# KiCad board Entrex Trapezoid Processor Board v37.kicad_pcb (continued)
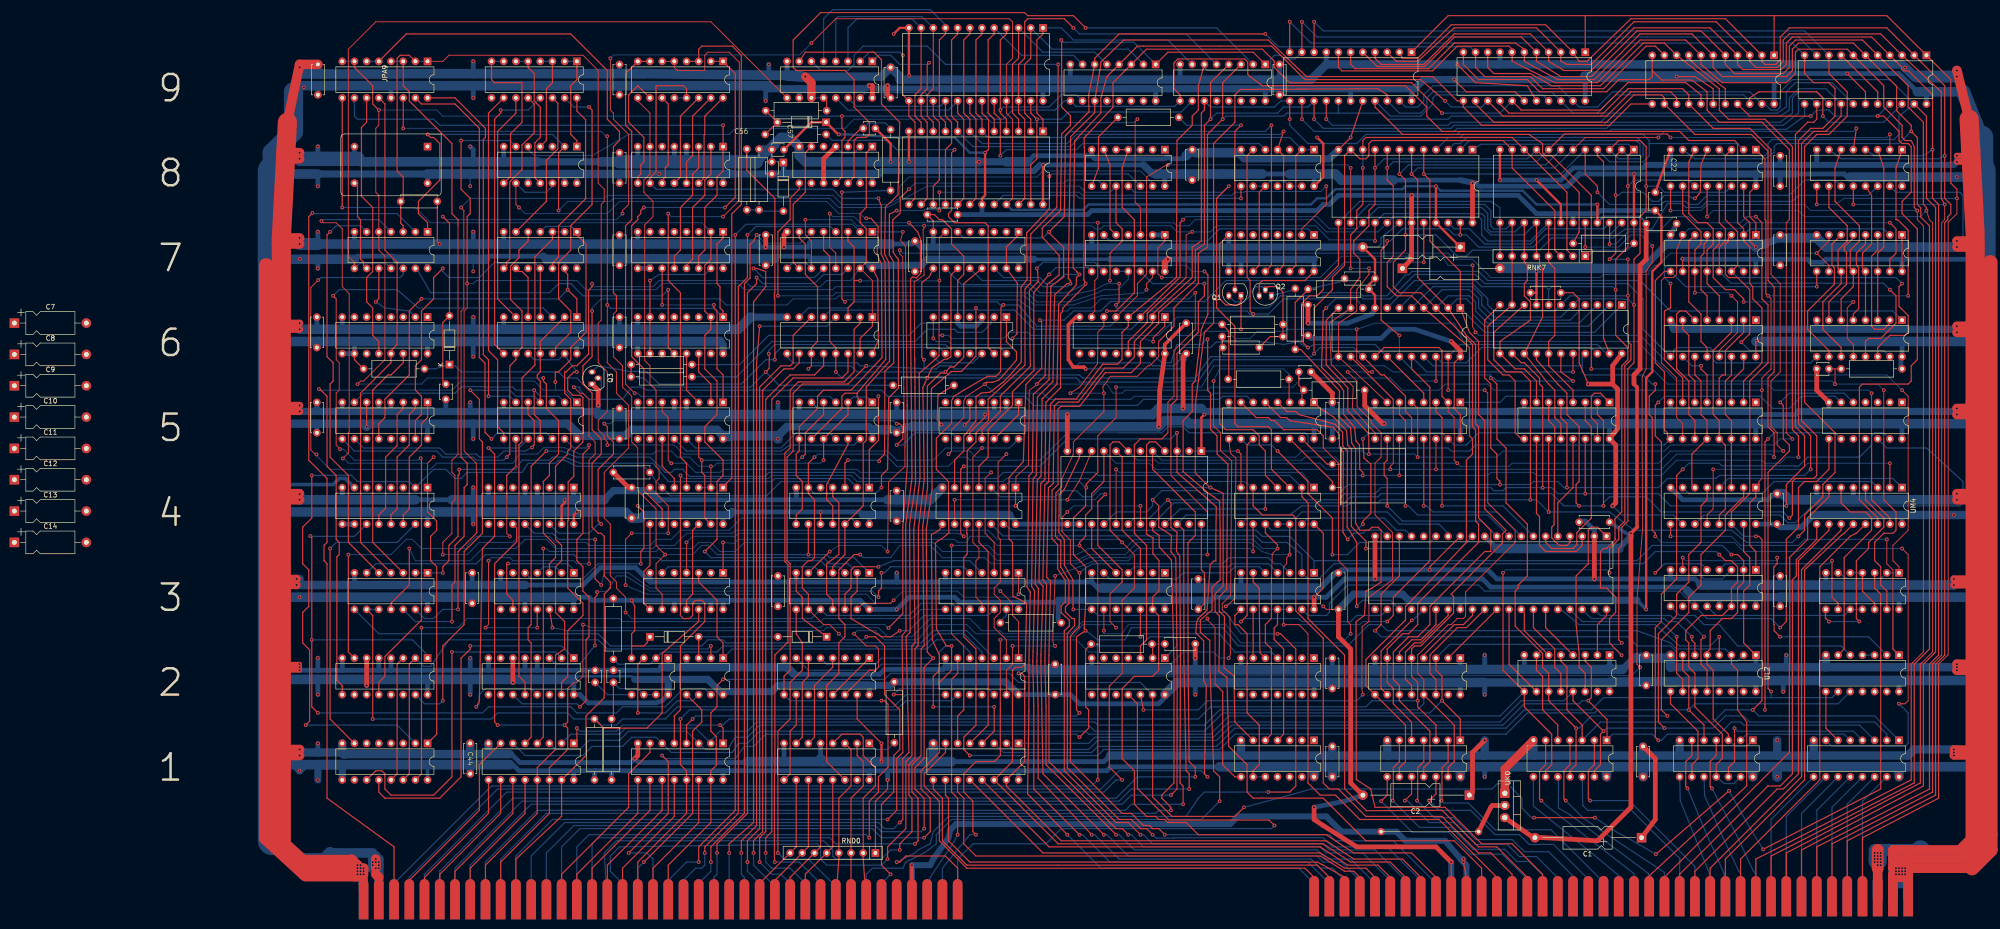
[diagram p0: board, top side]
## Routing (per net, layer and track width the routed paths; a pad name or vN(x,y) marks a point on that pad's centre or on a via; arc(x,y) is an arc through that point) (continued)
UE4_4: length 60.2
  Top w0.25: UE4.4 201.06,95.57 202.96,97.47 202.96,103.19 208.04,108.27 208.04,111.1 212.52,115.58 212.49,120.84 212.49,125.77 212.47,131.77 v1(215.66,135.57)
  Bottom w0.25: v1(215.66,135.57) 217.09,137.01 223.75,137.01 224.55,136.21
UE4_5: length 153.2
  Top w0.25: UE4.5 198.6,92.48 198.6,98.83 200.42,100.65 200.42,102.55 203.05,105.18 203.05,106.91 202.96,107 202.96,109.54 202.97,109.54 203.13,109.7 210.65,116.67 210.64,121 210.64,132.53 211.05,133.02 211.7,133.71 211.83,133.84 211.83,143.98 217.28,149.59 v1(217.56,179.39)
  Bottom w0.25: v1(217.56,179.39) 194.07,179.39 190.26,183.2 176.93,183.2 175.02,181.29 175.02,179.39 173.75,178.12 168.03,178.12 UD9.6
UE4_6: length 94.4
  Top w0.25: v1(215.73,156.08) 215.73,149.25 211.47,144.74 210.99,144.25 211.08,134.46 209.82,132.97 209.87,121.58 209.87,117.32 207.47,114.53 206.22,113.21 205.52,112.69 203.35,111.01 201.53,110.84 200.44,110.01 200.44,108.09 200.42,108.07 200.42,105.09 198.51,102.55 197.88,101.92 197.88,98.74 195.97,96.84 UE4.6
  Bottom w0.25: UF8.12 232.17,156.53 216.3,156.53 215.66,155.89
UE5_1: length 9.7
  Top w0.25: UE5.1 209.31,106.36 UE5.12
UE5_9: length 117.3
  Top w0.25: v1(183.91,100.01) 185.18,101.28 185.18,103.82 184.54,104.46 v1(183.91,104.46) ; v1(122.31,83.5) 121.68,84.14 121.68,94.93 124.85,98.11 124.85,100.65 123.59,101.92 123.59,103.82 v1(122.95,104.46)
  Bottom w0.2: v1(122.95,104.46) 124.22,104.46 124.85,105.09 124.88,105.06 183.31,105.06 v1(183.91,104.46)
  Bottom w0.25: UE5.9 195.34,102.55 187.72,102.55 185.18,100.01 v1(183.91,100.01) ; UB4.14 113.43,81.6 119.78,81.6 121.68,83.5 v1(122.31,83.5)
UE5_11: length 55.8
  Top w0.25: v1(213.12,136.84) 213.29,136.14 213.41,134.13 211.56,132.2 211.67,125.8 211.67,120.81 211.78,116.42 205.5,110.25 205.5,107 201.69,103.19 UE5.11
  Bottom w0.25: 227.09,136.21 225.19,138.11 214.39,138.11 v1(213.12,136.84)
UE8_20: length 55
  Top w0.25: v1(255.67,151.45) UH8.8
  Bottom w0.25: UE8.20 206.13,152.08 221.38,152.08 222.01,151.45 v1(255.67,151.45)
UE9_1: length 56.9
  Top w0.25: UE9.1 214.39,185.74 213.12,184.47 213.12,169.23 214.39,167.96 UE8.1
  Bottom w0.25: UE9.1 218.2,187.01 220.74,184.47 240.43,184.47 UH9.7
UE9_4: length 41.6
  Top w0.25: UE9.4 206.77,185.74 205.5,184.47 v1(205.5,169.86) 205.5,169.23 206.77,167.96 UE8.4
  Bottom w0.25: v1(205.5,169.86) 206.13,170.5 215.66,170.5 218.2,173.04 221.38,173.04 UF9.10
UE9_6: length 115.6
  Top w0.25: v1(262.01,166.69) 262.01,137.48 260.75,136.21 ; UE8.6 201.69,167.96 200.42,169.23 200.42,184.47 201.69,185.74 UE9.6
  Bottom w0.25: v1(262.01,166.69) 260.75,165.42 220.11,165.42 218.83,164.15 202.96,164.15 UE8.6
UE9_7: length 120.6
  Top w0.25: UE8.7 199.15,167.96 197.88,169.23 197.88,184.47 199.15,185.74 UE9.7 ; v1(264.56,165.42) UH8.4 264.56,160.34 264.56,137.48 263.29,136.21
  Bottom w0.25: v1(264.56,165.42) 263.92,164.78 221.38,164.78 219.47,162.88 201.69,162.88 UE8.7
UE9_16: length 44.2
  Top w0.25: UE8.16 194.07,161.61 195.34,162.88 195.34,167.32 194.07,168.59 UE9.16
  Bottom w0.25: UE9.16 192.95,170.64 175.51,170.64 UD9.14
UE9_20: length 68.8
  Top w0.25: UE9.20 204.23,169.23 205.5,167.96 v1(205.5,160.34)
  Bottom w0.25: UH8.5 259.48,162.88 222.64,162.88 221.38,161.61 206.77,161.61 v1(205.5,160.34)
UE9_22: length 83.9
  Top w0.25: v1(220.74,187.01) 218.83,188.91 211.21,188.91 210.58,188.28 210.58,180.66 209.31,179.39 UE9.22 209.31,169.23 210.58,167.96 210.58,151.45 UE8.22
  Bottom w0.25: v1(220.74,187.01) 222.01,185.74 244.24,185.74 UH9.5
UE9_23: length 56.6
  Top w0.25: UE8.23 211.85,158.43 213.12,159.7 v1(213.12,167.96) 211.85,169.23 UE9.23
  Bottom w0.25: UH9.10 243.2,169.46 219.71,169.46 218.2,167.96 v1(213.12,167.96)
UF2_2: length 5.7
  Top w0.25: R17.2 237.25,58.36 UF2.2
  Bottom w0.25: C55.1 239.75,58.48 R17.2
UF2_3: length 194.5
  Top w0.2: v1(246.14,131.76) 246.14,124.14 241.69,119.7 241.69,110.17 240.43,108.9 240.43,102.55
  Top w0.25: UF2.3 234.71,58.1 235.98,59.37 235.98,79.06 233.44,81.6 233.44,100.01 234.71,101.28 239.15,101.28 240.43,102.55 ; v1(172.48,152.72) 172.48,130.49 v1(173.12,129.86)
  Bottom w0.2: v1(173.12,129.86) 173.54,130.28 209.31,130.28 212.49,127.95 219.47,127.95 220.11,128.59 224.55,128.59 226.45,130.49 244.87,130.49 v1(246.14,131.76)
  Bottom w0.25: R28.2 v1(172.48,152.72)
UF3_3: length 27.5
  Top w0.25: UF4.8 230.9,97.47 230.9,82.23 234.71,78.42 UF3.3
UF3_5: length 12.3
  Top w0.25: UF3.5 224.55,78.42 UF4.15
UF3_6: length 35.8
  Bottom w0.25: UH3.5 259.48,74.61 254.39,74.61 253.12,73.34 243.6,73.34 242.33,72.07 228.36,72.07 UF3.6
UF3_9: length 123.8
  Top w0.2: v1(278.52,60.64) 278.52,62.55 277.89,63.18 277.89,73.98 275.99,75.88 275.99,96.24 272.81,99.41 272.81,99.59 ; v1(227.09,61.28) UF3.9
  Top w0.25: 272.81,99.59 272.81,101.92 271.54,103.19 264.56,103.19 262.65,105.09 262.01,105.09 261.38,105.73 258.84,105.73 UH5.7
  Bottom w0.2: v1(227.09,61.28) 227.09,60.64 230.9,60.64 232.17,62.55 252.49,62.55 255.67,58.74 276.62,58.74 v1(278.52,60.64)
UF3_12: length 36.9
  Top w0.25: v1(234.71,60.01) UF3.12
  Bottom w0.25: v1(234.71,60.01) 235.35,60.64 251.22,60.64 254.39,56.83 262.01,56.83 UH2.4
UF4_17: length 54.5
  Top w0.2: v1(229.63,94.93) UF4.17
  Bottom w0.2: v1(229.63,94.93) 230.26,94.3 268.37,94.3 270.27,91.76 UH4.1
UF6_1: length 59.8
  Top w0.2: 208.96,123.16 208.04,122.24 v1(208.04,122.24)
  Top w0.25: UF6.1 239.79,124.78 237.36,122.35 v1(237.36,121.58) ; UE7.1 209.31,143.83 206.77,141.29 UE7.15 209.07,133.72 208.96,126.37 208.96,123.16
  Bottom w0.2: 237.25,121.6 235.35,122.24 v1(208.04,122.24)
UF7_3: length 156
  Top w0.2: UF7.3 234.71,149.54 233.61,150.64 233.61,167.49 v1(234.07,167.96)
  Bottom w0.2: v1(234.07,167.96) 233.36,167.24 203.68,167.24 202.96,167.96 175.02,167.96 173.12,166.05 150.25,166.05 148.99,164.78 128.03,164.78 120.41,160.37 108.31,160.37 107.07,161.61 UB8.5
UF7_5: length 18.6
  Top w0.25: UF7.5 228.36,145.1 228.36,158.43 UF8.6
UF7_10: length 104.9
  Top w0.25: UD8.8 163.59,153.35 161.69,151.45 161.69,147 159.15,144.46 v1(159.15,131.13)
  Bottom w0.2: v1(159.15,131.13) 170.57,131.13 171.21,131.76 211.21,131.76 213.12,129.86 220.11,129.86 225.82,131.76 227.09,132.4 229.98,132.4 232.17,134.58 232.17,136.21
  Bottom w0.25: 229.63,136.21 232.17,136.21
UF7_12: length 144.2
  Top w0.2: UE2.13 206.77,53.02 208.04,54.29 v1(208.04,58.1) ; v1(248.68,77.15) 248.68,86.04 241.06,93.66 241.06,98.11 ; v1(216.93,72.71) 216.47,60.54 216.45,59.2 216.62,58.41 v1(216.93,58.1)
  Top w0.25: 241.06,98.11 241.06,108.27 242.33,109.54 242.33,119.06 246.77,123.51 246.77,129.86 248.05,131.13 v1(248.05,133.67)
  Bottom w0.2: v1(216.93,72.71) 222.01,74.61 225.19,75.88 232.17,75.88 233.44,77.15 v1(248.68,77.15) ; v1(208.04,58.1) v1(216.93,58.1)
  Bottom w0.25: v1(248.05,133.67) 237.25,133.67 234.71,136.21
UF8_8: length 16.3
  Top w0.25: R14.1 225.96,164.29 225.96,157.8 UF8.8
UF8_11: length 96
  Top w0.25: UH4.3 262.01,94.93 262.01,103.19 261.38,103.82 255.03,103.82 254.39,104.46 254.39,124.78 250.58,128.59 250.58,151.45 v1(253.12,153.99)
  Bottom w0.25: v1(253.12,153.99) 251.86,152.72 233.44,152.72 UF8.11
UF9_2: length 49.3
  Top w0.25: UE8.2 211.85,167.96 210.58,169.23 210.58,179.39 211.85,180.66 UE9.2
  Bottom w0.25: UF9.2 232.17,182.56 216.3,182.56 UE9.2
UF9_5: length 44.2
  Top w0.25: UE8.3 209.31,167.96 208.04,169.23 208.04,179.39 209.31,180.66 UE9.3
  Bottom w0.25: UF9.5 225.19,181.93 214.39,181.93 UE9.3
UF9_7: length 44.2
  Top w0.25: UE8.5 204.23,167.96 202.96,169.23 202.96,184.47 204.23,185.74 UE9.5
  Bottom w0.25: UF9.7 220.74,181.29 209.94,181.29 UE9.5
UH1_4: length 34
  Top w0.25: UH1.4 264.56,39.69 264.56,57.47 262.56,59.46 262.56,61.82 263.29,62.55 UH3.11
  Bottom w0.25: UH3.10 UH3.11 UH3.12
UH1_5: length 300.6
  Top w0.2: 263.29,79.06 v1(263.29,78.42) 262.19,77.32 262.01,72.07 262.01,71.44 ; 197.88,49.21 197.88,58.1 195.34,60.64 v1(195.34,79.06)
  Top w0.25: v1(281.06,101.28) 281.3,97.27 281.94,96.67 282.73,96.05 282.73,85.76 281.06,84.1 v1(281.06,83.5) ; UE1.6 196.61,43.5 197.88,44.77 197.88,49.21 ; UK5.15 329.96,104.46 328.69,105.73 328.69,110.17 329.32,110.81 330.6,110.81 UK5.1 ; UH1.5 262.01,39.69 262.01,57.47 260.75,58.74 260.75,62.55 262.01,63.82 262.01,71.44 ; 263.29,79.15 260.75,81.69 UH4.10
  Bottom w0.2: v1(195.34,79.06) 202.96,79.06 204.87,77.15 221.38,77.15 223.92,78.42 231.54,78.42 233.44,80.33 258.2,80.33 260.11,78.42 v1(263.29,78.42)
  Bottom w0.25: UH4.10 262.01,82.23 279.8,82.23 v1(281.06,83.5) ; UK5.1 331.23,110.17 310.91,110.17 309.64,108.9 UJ5.1 ; v1(281.06,101.28) 282.33,102.55 297.57,102.55 UJ5.15 300.12,100.01 302.65,100.01 305.19,102.55 328.69,102.55 UK5.15
UH1_6: length 104.6
  Top w0.25: v1(248.72,122.07) 248.72,111.48 248.68,111.44 249.31,110.81 249.31,103.27 250.68,101.9 250.68,98.11 252.94,96.01 252.67,70.88 252.66,69.88 251.13,68.35 251.13,65.36 252.23,64.26 252.13,53.49 253.46,52.43 254.19,51.86 254.39,42.23 UH1.6
  Bottom w0.25: UF6.15 239.15,117.16 241.06,117.16 242.33,120.97 247.41,120.97 248.68,122.24
UH1_8: length 182.4
  Top w0.2: 250.28,50.15 250.26,61.94 248.68,63.52 v1(248.68,63.82)
  Top w0.25: UB3.12 v1(112.16,61.91) ; 250.28,50.15 251.86,48.58 251.86,33.34 254.39,30.8 UH1.8
  Bottom w0.2: v1(248.68,63.82) 248.05,63.18 222.64,63.18 220.11,60.64 206.13,60.64 205.5,61.28 201.69,61.28 199.15,63.82 190.9,63.82 187.09,60.01 182,60.01 180.1,61.91 169.31,61.91 168.67,61.28 115.33,61.28 v1(112.16,61.91)
UH1_9: length 41
  Top w0.25: UH1.9 258.2,32.07 259.48,33.34 259.48,41.59 256.94,44.13 256.94,60.64 255.03,62.55 254.39,62.55 254.39,64.45 UH3.8
  Bottom w0.25: UH1.9 UH1.10
UH3_6: length 18.8
  Top w0.25: UH2.5 259.62,56.69 259.48,66.36 259.48,70.17 258.2,71.44 UH3.6
UH3_9: length 10.2
  Top w0.25: UH2.6 UH3.9
UH4_2: length 212.1
  Top w0.25: v1(357.9,77.15) 359.17,77.15 360.44,75.88 UL3.2 360.44,71.44 359.17,70.17 359.17,65.09 357.9,63.82 356,63.82 353.45,61.28 353.45,57.47 352.82,56.83 UL2.5 352.82,54.29 354.09,53.02 354.09,42.86 357.26,39.69 357.26,38.42
  Bottom w0.25: v1(357.9,77.15) 356,79.06 341.39,79.06 338.21,75.88 270.9,75.88 ; 270.9,75.88 265.82,80.96 260.11,80.96 258.84,82.23 208.04,82.23 UE4.13 ; 270.9,75.88 UH3.1 ; UL1.1 361.07,37.15 358.79,37.15 357.26,38.42
UH4_4: length 40.2
  Top w0.25: UH4.4 260.75,93.66 260.75,98.74 259.48,100.01 259.48,101.92 258.2,103.19 252.49,103.19 251.22,104.46 251.22,119.7 C6.1 251.73,120.46 R7.1
UH4_5: length 26.7
  Top w0.25: v1(260.75,86.68) UH4.5
  Bottom w0.25: UF4.21 242.96,86.68 v1(260.75,86.68)
UH4_9: length 145.4
  Top w0.25: v1(176.29,77.15) 175.02,77.15 171.84,73.98 171.84,63.82 173.12,62.55 173.12,60.01 171.84,58.74 171.84,52.39 169.31,49.85 169.31,33.97 173.12,30.16 ; UH4.9 v1(258.2,77.79)
  Bottom w0.2: v1(258.2,77.79) 257.57,78.42 234.07,78.42 232.17,76.52 223.92,76.52 221.38,75.25 203.59,75.25 202.32,76.52 193.44,76.52 190.9,79.06 184.54,79.06 182.64,76.52
  Bottom w0.25: 182.64,76.52 176.93,76.52 v1(176.29,77.15)
UH4_13: length 25
  Bottom w0.25: UK3.17 289.95,82.23 288.05,82.23 285.51,84.77 269.63,84.77 UH4.13
UH5_1: length 58.5
  Top w0.25: v1(281.7,78.42) 281.7,79.98 278.67,83.01 278.67,99.21 277.9,99.98 277.9,100.05 277.67,103.01 274.93,105.86 272.18,107.63 UH5.1
  Bottom w0.25: v1(281.7,78.42) 301.38,78.42 UK3.12
UH5_4: length 63.2
  Top w0.25: 279.75,66.38 279.8,79.69 277.79,82.92 277.79,89.56 277.86,98.76 276.9,99.72 276.85,102.67 275.3,104.33 267.73,106.36 267.1,107 265.19,107 UH5.4
  Bottom w0.25: UK3.23 286.78,67.63 281,67.63 279.8,66.43 v1(279.8,66.36) 279.73,66.36 279.75,66.38
UH5_5: length 50
  Top w0.25: UH5.5 263.92,105.73 265.19,105.73 265.82,105.09 274.93,103.7 276.18,102.15 276.18,99.39 277,98.57 277,98.38 276.93,81.79 277.8,80.42 ; 277.8,80.42 277.89,80.33 ; 277.8,80.42 277.89,80.42
  Bottom w0.25: UK3.19 284.88,82.23 281.7,82.23 281.06,81.6 279.16,81.6 277.92,80.36 v1(277.92,80.32) 277.88,80.32 277.89,80.33
UH5_6: length 237.2
  Top w0.2: v1(119.78,75.25) 119.78,96.84 121.04,98.11 121.04,100.65 119.78,101.92 119.78,109.54 118.5,110.81 117.87,110.81 v1(116.6,112.08) ; v1(98.82,75.88) 98.82,62.55 v1(98.19,61.91)
  Top w0.25: UB3.11 v1(108.98,61.91)
  Bottom w0.2: v1(98.82,75.88) 99.46,76.52 103.26,76.52 103.9,75.88 116.6,75.88 117.24,75.25 v1(119.78,75.25) ; v1(98.19,61.91) v1(108.98,61.91)
  Bottom w0.25: v1(116.6,112.08) 117.87,112.08 117.87,111.44 119.78,109.54 126.76,109.54 128.66,112.08 130.57,112.08 131.84,111.44 180.74,111.44 182,110.17 210.58,110.17 212.49,108.27 234.07,108.27 235.35,109.54 251.22,109.54 251.86,110.17 256.94,110.17 UH5.6
UH5_11: length 71.2
  Top w0.25: UH5.11 256.94,100.01 256.94,89.85 256.95,83.52 256.94,83.5 256.94,64.45 v1(255.67,63.18)
  Bottom w0.25: UK3.22 284.88,64.45 279.8,64.45 278.52,63.18 268.37,63.18 267.73,63.82 256.3,63.82 v1(255.67,63.18)
UH7_1: length 45.9
  Bottom w0.25: UH7.1 269.63,145.1 251.22,145.1 248.68,142.56 228.36,142.56 UF7.6
UH7_2: length 174
  Top w0.2: v1(192.8,152.72) v1(192.8,148.91) ; UH7.2 268.37,145.1 273.44,150.18 v1(273.44,153.99)
  Top w0.25: v1(173.75,96.84) 173.12,96.2 173.12,91.12 ; v1(183.91,148.91) 182.38,148.16 182.38,139.6 183.24,138.25 183.28,117.11 181.45,115.4 181.37,98.11 180.25,96.98 v1(180.25,96.62)
  Bottom w0.2: v1(192.8,152.72) 222.01,152.72 222.64,152.08 253.76,152.08 254.39,152.72 256.3,152.72 256.47,152.89 272.35,152.89 v1(273.44,153.99) ; v1(192.8,148.91) 192.63,149.08 190.72,149.08 190.65,149.16 189.8,149.16 189.55,148.91 v1(183.91,148.91)
  Bottom w0.25: v1(173.75,96.84) 180.1,96.84
UH8_1: length 126.5
  Top w0.25: UE8.8 196.61,167.32 195.34,168.59 195.34,184.47 196.61,185.74 UE9.8 ; 265.82,136.21 267.1,137.48 267.1,160.34 UH8.2
  Bottom w0.25: UE8.8 199.78,162.24 220.11,162.24 222.01,164.15 265.82,164.15 UH8.2 UH8.1
UH8_12: length 29.9
  Top w0.25: 258.2,136.21 259.48,137.48 259.48,152.72 UH8.10
  Bottom w0.25: UH8.9 UH8.10 261.87,155.11 264.7,155.11 UH8.12 UH8.13
UH9_2: length 148.1
  Top w0.25: UD8.12 175.02,155.89 175.02,163.51 175.66,164.15 177.56,164.15 178.19,164.78 178.19,167.32 175.02,170.5 175.02,176.21 173.12,178.12 162.96,178.12 162.32,178.75 162.32,184.47 168.03,190.18 210.58,190.18 211.21,189.55 220.74,189.55 v1(223.28,187.01)
  Bottom w0.25: v1(223.28,187.01) 250.58,187.01 UH9.2
UJ1_9: length 306.2
  Top w0.2: v1(390.92,164.78) UM8.2
  Top w0.25: UJ1.9 288.69,32.7 289.95,33.97 289.95,41.59 UJ2.9 281.7,49.85 281.7,55.25 289.95,63.5 289.95,66.33 291.25,67.63 291.86,68.26 302.65,79.69 302.65,96.84 303.93,98.11 303.93,101.28 303.29,101.92 303.29,120.33 UJ6.4 291.23,131.13 288.05,131.13 286.14,133.03 286.14,138.11 287.42,139.38 287.42,153.99 286.14,155.26 v1(286.14,157.8) UJ8.8 ; UK8.8 323.06,164.87 344.48,164.87 v1(345.2,164.15)
  Bottom w0.2: v1(345.2,164.15) 390.29,164.15 v1(390.92,164.78)
  Bottom w0.25: UJ6.4 297.57,132.4 303.29,132.4 305.19,130.49 305.19,128.59 307.74,126.05 324.25,126.05 UK6.4 ; UK8.8 317.26,159.07 287.42,159.07 v1(286.14,157.8)
UJ1_11: length 292.1
  Top w0.2: v1(342.66,164.15) 327.42,164.15 UK8.6
  Top w0.25: UJ8.6 v1(291.23,156.53) 292.5,155.26 292.5,134.94 UJ6.2 302.65,122.87 304.56,120.97 304.56,104.46 305.19,103.82 305.19,84.77 307.74,82.23 307.74,77.79 307.73,77.79 306.47,77.79 295.04,66.36 295.04,62.55 292.5,60.01 290.59,60.01 287.42,56.83 287.42,51.12 288.69,49.85 UJ2.11 288.69,46.67 295.04,40.32 295.04,33.97 293.76,32.7 UJ1.11 ; UM8.5 v1(383.94,166.05)
  Bottom w0.2: v1(383.94,166.05) 383.3,165.42 343.93,165.42 v1(342.66,164.15)
  Bottom w0.25: v1(291.23,156.53) 292.5,157.8 321.07,157.8 UK8.6 ; UJ6.2 300.75,130.49 302.65,130.49 303.93,129.22 303.93,127.32 306.46,124.78 328.06,124.78 UK6.2
UJ1_13: length 460.5
  Top w0.2: UJ2.13 293.76,51.12 292.5,52.39 292.5,56.2 298.85,62.55 299.48,62.55 300.75,63.82 302.02,63.82 302.49,64.28 302.49,69.36 312.81,79.69 312.81,82.23 307.1,87.95 307.1,110.81 v1(306.46,111.44)
  Top w0.25: UK6.21 331.23,122.24 331.23,159.07 329.96,160.34 UK8.4 ; UJ6.21 v1(298.85,111.44) ; UJ2.13 300.12,41.59 300.12,33.97 298.85,32.7 UJ1.13
  Bottom w0.2: v1(298.85,111.44) v1(306.46,111.44)
  Bottom w0.25: UK8.4 332.5,159.07 339.49,159.07 340.75,160.34 340.75,162.88 ; UJ8.4 298.85,164.15 301.38,164.15 302.02,164.78 339.49,164.78 340.75,163.51 340.75,162.88 ; 340.75,162.88 359.17,162.88 UL8.2 ; UK6.21 331.87,119.06 329.96,120.97 301.38,120.97 UJ6.21 ; UJ2.13 293.76,46.04 292.5,44.77 251.22,44.77 248.05,41.59 225.82,41.59 225.19,42.23 154.7,42.23 152.79,40.32 147.08,40.32 145.18,38.42 UC1.2 142,40.96 127.4,40.96 126.12,39.69 115.97,39.69 UB1.2
UJ2_2: length 14.4
  Top w0.25: UJ2.2 UK3.31
UJ2_3: length 495.4
  Top w0.25: UK8.3 334.4,163.51 338.85,163.51 340.12,162.24 v1(340.12,153.99) 340.12,148.91 338.85,147.64 338.85,140.02 337.58,138.75 v1(337.58,129.22) 337.58,117.16 336.31,115.89 336.31,84.14 335.04,82.87 335.04,79.06 334.4,78.42 334.4,59.37 v1(335.04,58.74) ; UJ2.3 296.31,53.02 297.57,51.75 v1(297.57,46.67) 301.38,42.86 UJ1.1
  Bottom w0.25: UJ8.3 300.12,162.88 301.38,162.88 302.65,164.15 338.25,164.15 339.49,162.92 339.49,160.34 338.85,159.7 334.4,159.7 UK8.3 ; v1(335.04,58.74) 334.74,58.44 299.18,58.44 UJ2.3 ; v1(297.57,46.67) 295.04,44.13 251.86,44.13 248.05,40.32 225.19,40.32 223.92,41.59 155.34,41.59 152.79,39.05 150.25,39.05 149.62,38.07 148.69,36.51 143.91,36.51 UC1.3 140.09,40.32 128.03,40.32 126.12,38.42 119.78,38.42 117.87,36.51 112.79,36.51 UB1.3 ; v1(337.58,129.22) 336.45,130.35 335.82,130.35 335.04,130.49 326.15,130.49 UK6.5 322.34,126.68 308.37,126.68 305.83,129.22 305.83,131.13 303.92,133.03 295.67,133.03 UJ6.5 ; v1(340.12,153.99) 342.66,153.99 343.93,152.72 356.63,152.72 UL8.14
UJ2_4: length 15.5
  Top w0.25: UK3.29 303.93,64.45 302.02,62.55 300.12,62.55 293.76,56.2 UJ2.4
UJ2_10: length 22.3
  Top w0.25: UJ2.10 284.88,49.21 284.88,57.04 v1(291.28,63.45)
  Bottom w0.25: UK3.25 291.23,63.18
UJ2_12: length 22.7
  Top w0.25: UK3.27 298.85,64.45 293.13,58.74 291.86,58.74 289.95,56.83 289.95,51.12 291.23,49.85 UJ2.12
UJ2_14: length 24.2
  Top w0.25: 306.46,65.72 302.65,61.91 300.75,61.91 295.04,56.2 295.04,52.39 296.31,51.12 UJ2.14
UJ6_1: length 467
  Top w0.25: v1(329.96,152.72) 329.96,153.99 327.42,156.53 UK8.5 ; v1(147.08,41.59) 147.72,40.96 UC1.1 ; UJ8.5 v1(293.76,156.53) 295.04,155.26 295.04,142.56 301.38,136.21 UJ6.1 303.29,123.51 305.19,121.6 305.19,106.36 306.46,105.09 306.46,86.68 310.91,82.23 310.13,81.45 310.13,79.55 299.48,68.9 299.97,68.41 299.97,64.94 293.13,58.1 291.86,58.1 291.23,57.47 UJ2.5 291.23,51.75 292.5,50.48 v1(292.5,46.67) 292.5,45.4 296.31,41.59 UJ1.3 ; UB1.1 117.24,38.42 v1(117.24,40.96)
  Bottom w0.25: v1(329.96,152.72) 332.5,150.18 343.3,150.18 343.93,150.81 348.38,150.81 349.01,150.18 350.92,150.18 352.82,152.08 369.96,152.08 373.14,155.26 379.49,155.26 UM8.11 ; 162.96,42.86 246.77,42.86 249.31,45.4 281.7,45.4 282.97,46.67 v1(292.5,46.67) ; UK6.1 329.32,123.51 306.46,123.51 UJ6.1 ; v1(293.76,156.53) 322.34,156.53 UK8.5 ; v1(117.24,40.96) 117.87,40.32 125.49,40.32 126.76,41.59 v1(147.08,41.59) 147.72,41.59 148.99,42.86 164.22,42.86
UJ6_3: length 328.7
  Top w0.25: UJ1.5 291.23,42.23 287.42,46.04 287.42,49.21 286.14,50.48 UJ2.7 286.14,57.47 289.32,60.64 290.59,60.64 292.49,62.55 292.5,62.55 292.5,66.99 ; 292.49,66.99 305.19,79.69 305.19,83.5 304.56,84.14 304.56,103.19 303.93,103.82 303.93,112.71 303.92,120.97 296.31,128.59 UJ6.3 293.13,131.76 288.69,131.76 287.42,133.03 287.42,138.11 289.95,140.65 v1(289.95,143.83) 289.95,155.26 v1(288.69,156.53) UJ8.7
  Bottom w0.25: v1(289.95,143.83) 296.31,143.83 300.75,139.38 302.65,139.38 303.93,140.65 317.89,140.65 320.44,143.19 333.13,143.19 335.75,145.03 341.39,145.03 341.39,145.1 344.56,150.36 347.56,150.36 348.38,149.54 351.55,149.54 352.82,150.81 370.6,150.81 371.87,152.08 386.48,152.08 UM8.14 ; UK6.3 326.15,125.41 307.1,125.41 304.56,127.95 304.56,129.86 303.29,131.13 298.85,131.13 UJ6.3 ; UK8.7 319.17,158.43 290.59,158.43 v1(288.69,156.53)
UJ6_7: length 257
  Top w0.25: UK8.1 336.31,160.34 v1(336.31,153.99) 336.31,141.29 333.77,138.75 v1(333.77,132.4) 333.77,122.87 336.31,120.33 336.31,117.79 335.04,116.52 335.04,86.04 333.62,84.63 333.62,80.47 333.77,80.33 331.87,78.42 331.23,78.42 330.6,77.79 330.6,70.17 331.87,70.17 333.77,68.26 333.77,65.09 332.5,63.82 332.5,58.74 333.05,58.19 333.05,58.1 v1(335,56.16) ; UK1.5 321.7,41.59 318.53,44.77 318.53,51.75 317.26,53.02 UK2.7
  Bottom w0.25: UL8.11 349.01,155.26 337.58,155.26 v1(336.31,153.99) ; 319.8,132.4 319.17,133.03 305.83,133.03 304.56,134.3 291.86,134.3 UJ6.7 ; 319.8,132.4 UK6.7 ; 319.8,132.4 320.44,133.03 333.13,133.03 v1(333.77,132.4) ; UK2.7 318.53,57.47 333.77,57.47 335.04,56.2 ; UJ8.1 305.69,162.73 336.45,162.73 UK8.1
UK1_9: length 514.5
  Top w0.25: v1(310.27,73.34) 310.27,53.02 UK2.9 314.72,45.4 320.44,39.69 320.44,33.34 319.17,32.07 UK1.9 ; UK8.2 333.77,160.34 v1(333.77,152.08) 333.77,140.02 v1(332.5,138.75) ; UL8.5 351.55,158.43 351.4,152.72 350.92,152.08 v1(350.28,151.45) ; v1(336.31,138.75) v1(336.31,131.13) 336.31,121.6 336.94,120.97 336.94,117.79 335.68,116.52 335.68,84.14 334.4,82.87 334.4,80.33 332.5,78.42 v1(332.5,73.34)
  Bottom w0.2: v1(310.27,73.34) 310.91,73.98 331.87,73.98 v1(332.5,73.34)
  Bottom w0.25: v1(332.5,138.75) v1(336.31,138.75) ; UJ6.6 293.76,133.67 303.93,133.67 307.1,130.49 307.1,129.22 308.37,127.95 321.07,127.95 UK6.6 324.25,131.13 v1(336.31,131.13) ; v1(333.77,152.08) 334.4,152.08 335.04,152.72 339.49,152.72 341.39,150.81 342.66,150.81 343.93,152.08 349.01,152.08 349.64,151.45 v1(350.28,151.45) ; UJ8.2 303.29,163.51 337.93,163.51 338.85,162.88 338.85,160.48 336.17,160.48 UK8.2 ; UB1.6 106.44,35.24 118.5,35.24 120.41,37.15 126.76,37.15 128.66,39.05 133.75,39.05 UC1.6 136.92,35.88 149.62,35.88 150.89,37.78 152.79,37.78 155.34,40.32 223.28,40.32 223.92,39.69 249.31,39.69 253.12,43.5 309.64,43.5 UK2.9
UK1_11: length 296.8
  Top w0.25: UL4.2 360.44,89.22 356.63,85.41 356.63,82.23 351.55,77.15 351.55,70.8 349.01,68.26 349.01,65.09 343.3,59.37 343.3,44.77 v1(344.56,43.5) ; v1(307.74,113.98) 309,112.71 309,101.28 310.91,99.38 310.91,87.95 315.36,83.5 315.36,72.71 313.45,70.8 313.45,70.17 312.81,69.53 312.81,62.23 318.53,56.52 318.53,53.66 319.8,52.39 UK2.11 319.8,46.67 v1(325.51,40.96) 325.51,33.34 324.25,32.07 UK1.11 ; UK6.17 322.34,115.25 v1(324.88,113.35) ; v1(301.38,143.83) UJ8.23 ; v1(286.14,142.56) 286.14,141.92 284.88,140.65 284.88,126.05 v1(288.69,122.87)
  Bottom w0.25: v1(288.69,122.87) UJ6.17 292.5,114.62 307.74,114.62 v1(307.74,113.98) 308.37,113.98 309,113.35 v1(324.88,113.35) ; UK8.23 332.5,143.83 319.17,143.83 316.62,141.29 305.19,141.29 302.65,143.83 v1(301.38,143.83) 300.12,143.83 298.85,145.1 289.32,145.1 286.78,142.56 v1(286.14,142.56) ; v1(325.51,40.96) 326.15,40.96 328.69,43.5 v1(344.56,43.5)
UK1_13: length 259.4
  Top w0.25: v1(343.93,40.96) 342.66,42.23 342.66,60.64 346.47,64.45 346.47,68.9 349.01,71.44 349.01,77.15 351.55,79.69 351.55,87.31 352.82,88.58 UL4.5 ; UK2.13 324.88,46.67 v1(331.23,40.32) 330.6,39.69 330.6,33.34 329.32,32.07 UK1.13
  Bottom w0.25: v1(331.23,40.32) 331.87,40.96 v1(343.93,40.96) 354.09,40.96 356.63,43.5 360.44,43.5 361.71,42.23 387.75,42.23 390.29,39.69 UM1.2 ; UK2.13 322.98,46.67 314.08,46.67 309.64,42.23 253.12,42.23 249.95,39.05 225.19,39.05 223.92,37.78 UE1.1
UK2_2: length 10.3
  Top w0.25: UK3.40 331.87,64.45 329.96,62.55 UK2.2
UK2_3: length 314
  Top w0.25: UK2.3 327.42,54.93 328.69,53.66 328.69,47.31 v1(328.06,46.67) 331.95,42.77 331.95,38.51 UK1.1 ; v1(347.74,94.93) 346.47,93.66 346.47,72.07 343.3,68.9 343.3,63.18 342.02,61.91 342.02,39.05 v1(342.66,38.42)
  Bottom w0.25: UM1.3 384.57,41.59 360.44,41.59 359.81,42.23 357.9,42.23 355.36,39.69 344.56,39.69 343.3,38.42 v1(342.66,38.42) 341.39,39.69 333.13,39.69 UK1.1 ; UE1.2 208.04,36.51 223.92,36.51 225.82,38.42 250.58,38.42 253.76,41.59 310.27,41.59 314.72,46.04 326.15,46.04 326.79,46.67 v1(328.06,46.67) ; v1(347.74,94.93) 349.01,96.2 355.36,96.2 355.9,95.66 371.14,95.66 371.24,95.57 371.87,95.57 373.77,97.47 384.57,97.47 387.11,100.01 387.11,101.92 387.75,102.55 389.65,102.55 UM5.13
UK2_4: length 11.9
  Top w0.25: UK2.4 319.17,61.91 UK3.35
UK2_5: length 279
  Top w0.2: v1(362.98,147.64) 363.92,146.7
  Top w0.25: UK2.5 322.34,54.93 323.61,53.66 323.61,44.77 326.79,41.59 UK1.3 ; v1(362.98,80.96) 363.62,80.96 364.25,80.33 364.25,46.67 v1(362.35,44.77) ; UL4.14 357.9,86.04 361.71,89.85 361.71,113.35 365.52,117.16 365.52,129.22 364.25,130.49 364.25,146.37 363.92,146.7 ; UK8.22 v1(332.5,141.92)
  Bottom w0.2: v1(362.98,147.64) 361.07,147.64 359.81,146.37 350.28,146.37 349.01,147.64 345.83,147.64 342.66,144.46 336.31,144.46 333.77,141.92 v1(332.5,141.92)
  Bottom w0.25: UJ8.22 300.12,145.1 303.29,145.1 306.46,141.92 315.99,141.92 319.17,145.1 331.23,145.1 UK8.22 ; UL4.14 360.44,80.96 v1(362.98,80.96) ; UM1.1 387.75,43.5 363.62,43.5 v1(362.35,44.77) 356.63,44.77 354.09,42.23 330.6,42.23 UK1.3
UK2_6: length 11.9
  Top w0.25: UK2.6 314.72,61.28 314.72,65.09 314.08,65.72
UK2_10: length 19.5
  Top w0.25: UK3.32 311.55,54.29 UK2.10
UK2_12: length 19.5
  Top w0.25: UK2.12 322.34,52.39 321.07,53.66 321.07,57.47 316.62,61.91 UK3.34
UK2_14: length 40.1
  Top w0.25: UK2.14 327.42,52.39 326.15,53.66 326.15,56.52 325.51,62.55 325.51,72.71 328.06,75.25 328.06,82.23 328.69,82.87 329.96,82.87 UK3.1
UK3_15: length 58.2
  Top w0.25: v1(263.29,98.74) 269.63,92.39 269.63,89.85 274.71,84.77 v1(274.71,77.15)
  Bottom w0.25: UH5.10 256.94,100.01 262.01,100.01 v1(263.29,98.74) ; UK3.15 295.04,79.69 280.43,79.69 277.89,77.15 v1(274.71,77.15)
UK3_18: length 102.9
  Top w0.25: v1(283.61,61.28) 284.88,62.55 284.88,68.9 288.69,72.71 UK3.18
  Bottom w0.25: UL2.2 359.17,54.93 346.47,54.93 346.47,56.83 345.2,58.1 338.21,58.1 336.31,60.01 284.88,60.01 v1(283.61,61.28)
UK3_26: length 14.4
  Top w0.25: UK3.26 296.31,62.55 293.13,59.37 291.23,59.37 288.69,56.83 UJ2.6
UK5_15: length 32.7
  Bottom w0.25: UH3.4 261.38,75.25 253.76,75.25 253.12,74.61 233.44,74.61 UF3.4
UK6_19: length 201.5
  Top w0.2: v1(393.46,78.42) 394.73,77.15 394.73,46.67 394.1,46.04 393.52,46.04
  Top w0.25: v1(342.02,112.71) 342.02,111.44 340.75,110.17 340.75,106.36 341.39,105.73 341.39,82.23 341.94,81.69 342.02,81.69 v1(342.02,80.96) ; v1(392.82,46.04) 393.52,46.04
  Bottom w0.2: v1(393.46,78.42) 372.5,78.42 371.87,77.79 360.44,77.79 358.54,79.69 343.3,79.69 v1(342.02,80.96)
  Bottom w0.25: 326.79,116.52 295.67,116.52 UJ6.19 ; 326.79,116.52 326.79,115.25 327.42,114.62 339.49,114.62 341.39,112.71 v1(342.02,112.71) ; 326.79,116.52 326.79,118.43 UK6.19 ; v1(392.82,46.04) 394.73,44.13 394.73,37.78 394.1,37.15 378.86,37.15 UM1.7
UL1_2: length 23.9
  Bottom w0.25: UM1.5 381.39,39.69 361.07,39.69 UL1.2
UL1_9: length 285.2
  Top w0.25: UL2.9 345.2,46.04 350.92,40.32 350.92,34.61 349.64,33.34 349.64,30.8 ; v1(366.15,48.58) 365.52,49.21 365.52,94.3 369.96,98.74 369.96,100.01 368.69,101.28 368.69,108.27 v1(368.06,108.9)
  Bottom w0.25: UM2.9 378.86,47.31 366.15,47.31 ; 366.15,47.31 345.2,47.31 ; 366.15,47.31 v1(366.15,48.58) ; 345.2,47.31 UL2.9 ; 345.2,47.31 331.23,47.31 328.69,44.77 314.72,44.77 310.91,40.96 254.39,40.96 250.58,37.15 225.82,37.15 224.55,35.88 206.13,35.88 UE1.3 ; UM5.5 381.39,110.81 369.96,110.81 v1(368.06,108.9)
UL1_11: length 226.8
  Top w0.25: UL1.11 354.73,33.34 356,34.61 356,39.69 350.28,45.4 UL2.11 350.28,52.39 349.01,53.66 349.01,58.74 348.38,59.37 348.38,61.28 351.55,64.45 356,64.45 UL3.14 357.9,70.17 359.17,71.44 359.17,74.61 357.9,75.88 356.63,75.88 v1(355.36,77.15)
  Bottom w0.25: UL1.11 356.38,29.4 358.41,29.4 UL1.13 ; UE4.12 206.04,81.05 258.75,81.05 260.11,79.69 265.19,79.69 268.37,77.15 UH3.2 269.63,72.07 271.88,72.07 275.06,75.25 339.49,75.25 342.02,77.79 354.73,77.79 v1(355.36,77.15)
UL1_12: length 38.4
  Top w0.25: v1(358.54,40.96) 358.54,33.97 357.26,32.7 357.26,30.8
  Bottom w0.25: UM1.4 383.3,40.32 359.17,40.32 v1(358.54,40.96)
UL2_4: length 41.1
  Top w0.25: UL2.4 v1(355.36,60.01)
  Bottom w0.25: v1(355.36,60.01) 353.45,58.1 347.11,58.1 342.02,62.55 326.15,62.55 322.34,65.72 UK3.36
UL2_6: length 29.3
  Top w0.25: UL2.6 350.28,58.65 349.64,59.28 v1(349.64,60.01)
  Bottom w0.25: v1(349.64,60.01) 346.47,63.18 344.56,63.18 343.93,63.82 328.69,63.82 UK3.38
UL2_7: length 334.2
  Top w0.25: UE4.10 198.51,81.6 198.6,81.51 198.6,77.24 197.88,76.52 197.88,60.01 200.42,57.47 200.42,41.59 197.88,39.05 197.88,36.51 v1(199.15,35.24) ; v1(364.88,44.77) 364.88,100.65 v1(365.52,101.28) ; UL1.5 352.19,41.59 v1(349.01,44.77) 349.01,51.75 347.74,53.02 UL2.7
  Bottom w0.25: UM5.9 379.49,102.55 366.79,102.55 v1(365.52,101.28) ; UM2.10 380.12,46.04 364.88,46.04 ; 364.88,46.04 350.28,46.04 v1(349.01,44.77) 329.96,44.77 329.32,44.13 315.36,44.13 310.91,39.69 254.39,39.69 251.22,36.51 227.09,36.51 225.82,35.24 v1(199.15,35.24) ; 364.88,46.04 v1(364.88,44.77)
UL2_10: length 36.5
  Top w0.25: v1(346.47,60.01) 346.47,52.39 347.74,51.12 UL2.10
  Bottom w0.25: UK3.37 326.79,63.18 343.3,63.18 v1(346.47,60.01)
UL2_12: length 37.4
  Top w0.25: v1(352.19,60.01) 351.55,59.37 351.55,54.29 352.82,53.02 UL2.12
  Bottom w0.25: UK3.39 330.6,64.45 345.2,64.45 345.83,63.82 348.38,63.82 v1(352.19,60.01)
UL3_5: length 90.2
  Top w0.25: v1(342.66,108.9) 342.02,108.27 342.02,101.92 343.3,100.65 343.3,74.61 v1(342.02,73.34)
  Bottom w0.25: v1(342.66,108.9) 343.93,110.17 363.94,110.17 366.48,107.63 369.96,107.63 372.5,110.17 379.49,110.17 UM5.6 ; v1(342.02,73.34) 343.93,75.25 351.55,75.25 UL3.5
UL3_6: length 9
  Bottom w0.25: UL3.3 357.26,73.34 ; UL3.6 352.19,72.07 356,72.07 357.1,73.18
UL3_7: length 64.3
  Top w0.25: v1(368.06,60.01) 366.79,61.28 366.79,62.55 366.7,62.64 366.7,74.52 367.43,75.25 v1(367.43,76.52) ; UL3.7 v1(347.74,76.52)
  Bottom w0.2: v1(367.43,76.52) 367.43,75.88 348.38,75.88 v1(347.74,76.52)
  Bottom w0.25: UM2.2 386.48,60.01 v1(368.06,60.01)
UL3_11: length 152.7
  Top w0.25: v1(368.06,61.91) 369.33,63.18 369.33,80.33 371.87,82.87 371.87,91.12 373.14,92.39 375.68,92.39 378.22,94.93 UM5.8
  Bottom w0.25: UH3.13 269.63,64.45 273.44,64.45 274.08,65.09 274.08,66.99 277.89,70.8 305.19,70.8 306.46,69.53 347.11,69.53 UL3.11 352.82,63.82 366.15,63.82 v1(368.06,61.91)
UL3_12: length 33.7
  Bottom w0.25: UM3.11 UM3.10 381.39,64.45 354.73,64.45 UL3.12
UL4_6: length 29.9
  Top w0.25: 350.28,118.43 350.28,114.62 351.55,113.35 351.55,106.36 352.82,105.09 352.82,102.55 352.81,102.54 UL5.12 349.64,98.11 349.64,91.76 UL4.6
UL4_7: length 42.7
  Bottom w0.25: UL4.7 349.01,89.85 364.25,89.85 366.79,92.39 387.11,92.39 UM4.3
UL4_11: length 84.8
  Bottom w0.25: UL4.11 352.19,85.41 368.06,85.41 369.65,83.82 371.24,83.82 374.73,87.31 405.52,87.31 406.16,87.95 406.16,92.39 398.54,99.38 390.29,99.38 UM5.12
UL4_12: length 54.4
  Top w0.2: UL4.12 352.82,85.41 354.09,86.68 v1(354.09,94.93)
  Top w0.25: UM4.2 v1(390.92,96.2)
  Bottom w0.2: v1(390.92,96.2) 373.77,96.2 372.5,94.93 v1(354.09,94.93)
UL4_13: length 45.7
  Top w0.25: UL6.3 357.9,123.51 354.09,119.7 354.09,106.36 355.36,105.09 355.36,102.55 355.35,102.54 UL5.13 356.61,100.01 356.63,100.01 356.63,86.68 355.36,85.41 UL4.13
UL5_5: length 12.8
  Top w0.25: UL5.5 352.81,114.6 352.82,114.62 351.64,115.8 351.55,115.8 v1(351.55,116.52)
  Bottom w0.25: 347.74,118.43 349.64,116.52 v1(351.55,116.52)
UL5_10: length 102.5
  Top w0.2: UL7.7 346.47,140.65 346.47,135.57 345.83,134.94 343.93,134.94 343.3,134.3 343.3,117.16 346.47,113.98 346.47,105.73 347.74,104.46 347.74,102.55 347.73,102.54 UL5.10
  Top w0.25: v1(390.92,146.37) 392.19,145.1 392.19,140.02 390.92,138.75 390.92,136.21
  Bottom w0.2: v1(390.92,146.37) 361.07,146.37 359.81,145.1 349.01,145.1 UL7.7
UL5_11: length 32.5
  Top w0.25: UL6.6 348.38,127.95 347.11,127.95 346.47,127.32 346.47,115.89 349.01,113.35 349.01,106.36 350.28,105.09 350.28,102.55 350.26,102.54 UL5.11
UL5_14: length 28.4
  Top w0.25: UL4.3 357.9,92.25 357.88,92.26 UL5.14 357.88,102.54 357.9,102.55 357.9,105.09 356.63,106.36 356.63,113.35 357.9,114.62 357.9,118.43
UL6_2: length 19.6
  Top w0.25: UL5.4 355.35,113.97 356,114.62 356.63,114.62 356.63,119.7 360.44,123.51 UL6.2
UL6_4: length 40.7
  Top w0.25: UL8.6 349.01,159.07 349.01,148.27 350.92,146.37 352.82,146.37 354.09,145.1 354.09,141.92 352.82,140.65 352.82,133.67 355.36,131.13 UL6.4
UL6_7: length 18.2
  Top w0.25: UL6.7 347.74,124.14 349.01,122.87 349.01,114.62 350.28,113.35 350.26,113.33 UL5.6
UL6_12: length 27.5
  Top w0.25: 352.82,118.43 352.82,120.33 351.55,121.6 351.55,127.32 349.01,129.86 349.01,142.56 UL7.6
UL6_13: length 47
  Top w0.2: v1(357.9,131.13) 359.17,129.86 359.17,123.51 355.36,119.7 355.36,118.43
  Top w0.25: v1(350.28,131.76) 350.28,140.65 351.55,141.92 351.55,144.46 347.74,148.27 UL8.10
  Bottom w0.2: v1(357.9,131.13) 357.26,131.76 v1(350.28,131.76)
UL6_15: length 10.6
  Top w0.25: UL5.3 357.9,108.91 357.9,113.35 360.44,115.89 360.44,118.43
UL7_5: length 18.8
  Top w0.25: UL7.5 352.82,142.56 352.19,141.92 352.19,140.02 351.55,139.38 351.55,132.4 352.82,131.13 UL6.5
UL7_9: length 73.3
  Top w0.25: 345.2,136.21 343.93,136.21 342.02,134.3 342.02,117.16 343.93,115.25 343.93,103.19 344.56,102.55 344.56,101.89 UL5.9 ; 375.68,136.21 v1(375.68,133.03)
  Bottom w0.25: 345.2,136.21 348.38,133.03 v1(375.68,133.03)
UL7_15: length 48.1
  Top w0.25: UL5.7 347.73,110.16 347.74,110.17 347.74,113.98 343.93,117.79 343.93,127.95 345.2,128.59 v1(345.2,133.67)
  Bottom w0.25: v1(345.2,133.67) 343.93,134.94 343.93,136.84 344.56,137.48 359.17,137.48 360.44,136.21
UM1_6: length 11.2
  Top w0.25: UM1.6 377.58,40.96 UM2.8
UM2_1: length 74.8
  Top w0.2: v1(390.29,80.33) 390.29,75.25 391.56,73.98 391.56,65.72
  Top w0.25: UM2.1 391.56,57.47 391.56,66.36 ; UL4.9 v1(345.2,80.96)
  Bottom w0.2: v1(345.2,80.96) 357.9,80.96 359.81,79.06 371.87,79.06 373.14,80.33 v1(390.29,80.33)
UM2_4: length 2.5
  Bottom w0.25: UM2.4 UM2.3
UM2_5: length 41.9
  Bottom w0.25: UM2.5 380.76,58.1 359.17,58.1 355.36,62.55 352.19,62.55 350.28,64.45 347.11,64.45 UL3.9
UM2_6: length 42.3
  Top w0.25: UM2.6 381.39,57.47 381.39,76.52 387.11,82.23 387.11,84.77 385.84,86.04 382.67,86.04 380.76,87.95 UM4.6
UM3_1: length 242
  Top w0.2: v1(239.15,134.94) 238.35,135.74 238.35,141.12 239.79,142.56 UF7.1 ; v1(393.46,111.44) 394.73,110.17 394.73,82.23 391.56,79.06 391.56,75.88 392.82,74.61 UM3.1 ; v1(304.56,123.51) 303.93,124.78 303.99,137.41 v1(303.93,137.48)
  Bottom w0.2: v1(303.93,137.48) 298.85,137.48 297.57,139.38 276.62,139.38 272.18,134.94 v1(239.15,134.94) ; v1(304.56,123.51) 305.19,122.87 338.85,122.87 347.11,114.62 390.29,114.62 v1(393.46,111.44)
  Bottom w0.25: UM3.1 UM3.2 389.16,72.22 389.01,72.22 386.24,72.13 382.03,72.13 381.94,72.22 381.88,72.22 UM3.6
  Bottom w1: UF7.1 UF7.2
UM3_5: length 11.2
  Top w0.25: UM3.4 385.2,69.53 387.75,66.99 UM3.12
  Bottom w0.25: UM3.5 UM3.4
UM3_8: length 41.4
  Top w0.25: UM3.8 377.5,65.63 377.5,63.82 377.58,63.82 v1(378.22,63.18) ; UM4.4 385.84,88.58 389.65,84.77 389.65,82.87 386.48,79.69 386.48,78.42 383.94,75.88 383.94,63.82 v1(384.57,63.18)
  Bottom w0.25: v1(378.22,63.18) v1(384.57,63.18)
UM3_9: length 35
  Top w0.25: UM3.9 380.12,66.99 378.86,68.26 v1(378.86,75.88)
  Bottom w0.25: UL3.4 356.63,75.25 378.22,75.25 v1(378.86,75.88)
UM3_13: length 410.8
  Top w0.2: v1(277.89,115.25) 279.86,113.33 279.86,108.04 282.82,105.08 282.82,104.61 284.88,102.55 284.88,97.47 283.61,96.2 283.61,85.41 287.25,81.77 287.25,71.9 282.33,68.26 282.33,63.18 280.92,62.16 280.87,50.48 280.87,49.21 v1(281.06,47.94) ; v1(191.53,122.24) UE6.7 ; v1(282.97,115.25) 282.33,115.25 279.8,117.79 v1(279.8,124.14) ; v1(379.49,112.71) 379.49,115.89 ; 379.49,115.89 C59.2 ; 379.49,115.89 R26.1 ; v1(389.65,111.44) 389.65,101.28
  Top w0.25: 389.65,101.28 389.65,88.58 392.19,86.04 392.19,82.23 391.56,81.6 389.65,81.6 387.75,79.69 387.75,75.88 389.01,74.61 389.01,70.8 390.29,69.53 UM3.13 ; v1(235.35,44.77) UF2.12
  Bottom w0.2: v1(191.53,122.24) 192.16,121.6 194.71,121.6 195.34,120.97 234.07,120.97 234.71,120.33 239.15,120.33 241.69,122.87 247.41,122.87 248.26,123.72 252.91,123.72 254.39,122.24 257.57,122.24 259.05,123.72 264.77,123.72 265.19,124.14 v1(279.8,124.14) 283.61,125.41 300.12,125.41 302.02,121.6 338.21,121.6 346.47,113.35 378.86,113.35 v1(379.49,112.71) 388.38,112.71 v1(389.65,111.44) ; v1(277.89,115.25) v1(282.97,115.25)
  Bottom w0.25: v1(235.35,44.77) 246.77,44.77 248.68,46.67 279.8,46.67 v1(281.06,47.94)
UM4_1: length 39.7
  Bottom w0.25: UL4.4 357.26,93.03 391.56,93.03 UM4.1
UM4_14: length 138.6
  Top w0.25: UM4.14 388.38,84.77 384.57,88.58 384.57,112.08 385.2,112.71 394.73,112.71 395.37,113.35 395.37,116.52 396.63,117.79 396.63,145.1 393.46,148.27 393.46,150.81 395.37,152.72 395.37,162.24 394.73,162.88 393.46,162.88 392.82,163.51 392.82,165.42 389.65,168.59 v1(388.38,168.59) ; v1(374.41,168.59) 361.71,168.59 UL9.19
  Bottom w0.25: UM9.19 v1(388.38,168.59) 379.49,168.59 378.22,169.86 375.68,169.86 v1(374.41,168.59)
UM4_15: length 221.1
  Top w0.2: v1(387.11,110.81) 387.11,101.28
  Top w0.25: UM4.15 390.92,84.77 387.11,88.58 387.11,101.28 ; UJ9.19 283.61,170.5 289.32,164.78 315.68,164.78 318.53,162.88 318.53,160.97 319.17,160.34 320.44,160.34 328.69,152.08 v1(328.69,115.89)
  Bottom w0.2: v1(387.11,110.81) 386.48,111.44 366.79,111.44 365.52,112.71 344.56,112.71 341.39,115.89 v1(328.69,115.89)
  Bottom w0.25: UJ9.19 286.78,168.59 293.13,168.59 295.67,171.13 295.67,172.4 296.31,173.04 318.53,173.04 UK9.19
UM6_2: length 24.8
  Top w0.25: UM7.3 388.38,140.65 387.11,139.38 387.11,124.78 387.75,124.14 389.65,124.14 390.92,125.41 UM6.2
UM6_7: length 20.3
  Top w0.25: UM6.7 378.22,129.86 381.88,133.52 381.88,140.16 381.39,140.65 381.39,141.29 383.3,143.19 UM7.5
UM6_9: length 243.4
  Top w0.25: UH8.6 256.94,160.34 256.94,134.94 257.57,134.3 257.57,127.95 v1(258.2,127.32) ; v1(227.73,127.95) 229.63,127.95 233.44,131.76 233.44,147 230.9,149.54 230.9,157.8 UF8.4 UF8.5
  Bottom w0.25: v1(227.73,127.95) 256.94,127.95 257.57,127.32 v1(258.2,127.32) 261.38,127.32 264.56,130.49 272.18,130.49 272.81,131.13 280.43,131.13 281.06,130.49 286.78,130.49 291.86,135.57 304.56,135.57 306.46,133.67 336.31,133.67 339.49,130.49 339.49,124.14 345.2,118.43 345.83,119.06 345.83,119.7 346.47,120.33 353.45,120.33 354.09,119.7 354.09,117.79 354.73,117.16 374.41,117.16 375.68,118.43
UM6_10: length 30.5
  Top w0.25: UM7.6 378.86,141.92 378.86,137.48 379.35,136.99 379.35,133.52 373.77,127.95 373.77,124.14 378.22,119.7 378.22,118.43
UM6_11: length 41.3
  Top w0.25: 380.76,118.43 380.76,120.33 376.95,124.14 376.95,129.86 380.76,133.67 380.76,136.21 380.12,136.84 380.12,140.65 382.03,142.56 382.03,145.73 378.22,149.54 UM8.10
UM6_12: length 53.6
  Top w0.2: 383.3,118.43 383.3,120.97 382.03,122.24 382.03,128.59 v1(383.3,129.86)
  Top w0.25: UL7.4 355.36,141.92 354.09,140.65 354.09,134.94 356.63,132.4 358.54,132.4 360.35,130.58 360.44,130.58 v1(360.44,129.86)
  Bottom w0.2: v1(360.44,129.86) v1(383.3,129.86)
UM6_13: length 74.6
  Top w0.25: v1(390.92,132.4) 392.19,131.13 392.19,125.41 389.01,122.24 386.48,122.24 385.84,121.6 385.84,118.43 ; UL8.13 355.36,146.37 356.63,145.1 356.63,142.53 355.36,141.26 355.36,136.21
  Bottom w0.25: v1(390.92,132.4) 389.56,133.76 357.81,133.76 355.36,136.21
UM6_14: length 84.9
  Top w0.25: 388.38,118.43 388.38,120.33 390.92,122.87 394.1,122.87 394.73,123.51 394.73,127.03 392.82,128.93 392.82,133.03 v1(393.46,133.67) ; UL8.3 356.63,160.34 356.63,147 359.17,144.46 359.17,137.48 357.9,136.21
  Bottom w0.25: v1(393.46,133.67) 392.19,134.94 359.17,134.94 357.9,136.21
UM6_15: length 59.3
  Top w0.25: v1(359.95,121.44) 361.71,123.2 361.71,132.4 359.17,134.94 357.26,134.94 356.63,135.57 356.63,141.9 357.26,142.53 357.26,143.19 UL7.3
  Bottom w0.25: 359.81,121.6 361.71,119.7 389.65,119.7 390.92,118.43
UM7_4: length 19.2
  Top w0.25: UM6.5 383.3,127.32 384.43,128.44 384.43,136.99 383.94,137.48 383.94,140.02 385.84,141.92 UM7.4
UM7_10: length 289.7
  Top w0.2: UM7.7 378.22,142.56 v1(375.68,140.02) 378.22,137.48 378.22,136.21 ; v1(182,77.79) 182.2,92.3 185.63,95.53 185.59,99.71 185.65,99.77 185.64,103.86 185.49,104.31 185.4,110.72 185.39,111.15 185.39,111.72 185.38,111.73 185.16,139.27 184.54,139.89 v1(184.54,140.65)
  Top w0.25: UD3.6 v1(169.94,77.79)
  Bottom w0.2: v1(169.94,77.79) 171.84,79.06 180.74,79.06 v1(182,77.79) ; v1(184.54,140.65) 185.18,140.02 298.85,140.02 300.12,138.75 303.93,138.75 307.74,134.94 330.6,134.94 331.23,135.57 340.73,135.57 340.73,136.35 341.85,137.48 342.66,137.48 345.2,140.02 v1(375.68,140.02)
UM8_3: length 36.3
  Top w0.25: UM6.3 388.38,140.02 389.65,141.29 389.65,157.8 UM8.3
UM8_6: length 40
  Top w0.25: UM8.6 379.49,157.8 379.49,150.81 384.57,145.73 384.57,142.56 382.67,140.65 382.67,136.84 383.3,136.21 383.3,133.03 380.76,130.49 UM6.6
UM8_13: length 29.4
  Top w0.25: UM8.13 387.11,152.08 387.11,141.92 385.2,140.02 385.2,136.84 385.84,136.21 UM6.4
XA8_8: length 18.8
  Top w0.25: XA8.8 71.52,153.99 71.52,147.64 72.15,147 72.15,138.77 72.78,138.14 72.78,137.48 UA7.9

## Text on the board
F.Silkscreen: 9 / 8 / 7 / 6 / 5 / 4 / 3 / 2 / 1 | A    B    C    D    E    F    H    J    K    L    M
